# KiCad board TRX055.01.01.PB.00.00.kicad_pcb (continued)
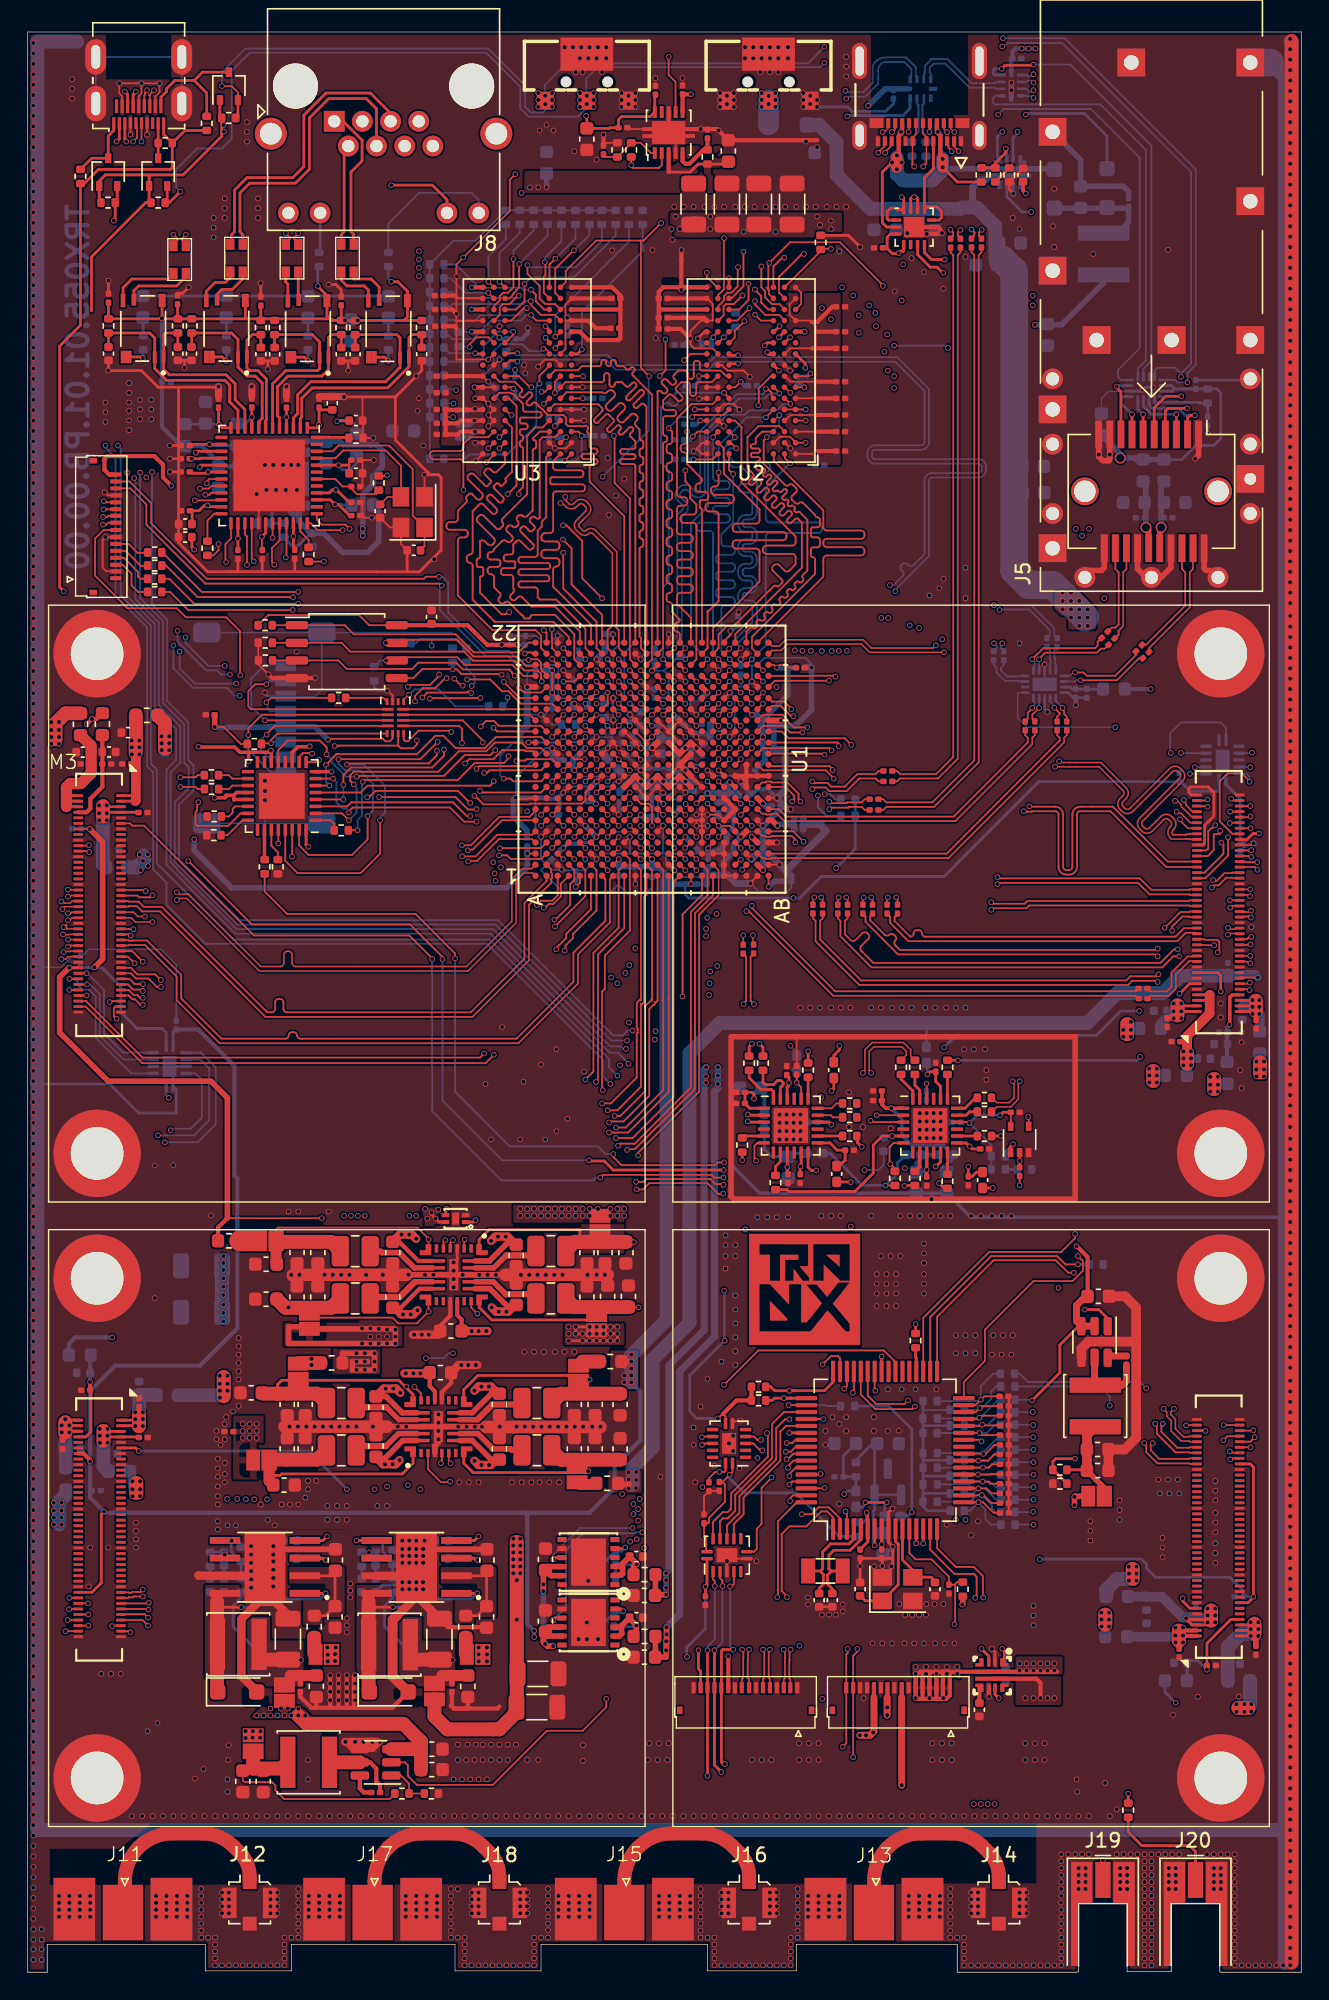
[diagram p0: board, top side]
## Routing (per net, layer and track width the routed paths; a pad name or vN(x,y) marks a point on that pad's centre or on a via; arc(x,y) is an arc through that point) (continued)
GND_ETH: length 17.7
  Bottom w0.2: C146.2 25.97,120.78 C134.2
VCCIO_13: length 181.6
  Top w0.127: U1.W19 v1(51.4,93) ; U1.AA13 v1(53,89) ; U1.AB20 53.8,94.2 v1(54,94) 54.2,94.2 54.7,94.2 54.9,94 C82.1 ; U1.U15 v1(49.8,89.8) ; U1.Y16 v1(52.2,90.6) ; U1.V12 v1(50.6,88.2) ; v1(88.68,71.67) 87.41,71.67 M1.14
  Top w0.2: v1(88.75,82.05) 88.34,82.05 87.91,81.62 M1.64
  Top w0.4: 43.36,35.15 42.64,35.15 FB9.2 ; U1.T18 v1(49,92.2)
  In2.Cu w0.127: v1(50.6,91.4) 50.2,91.8 49.4,91.8 v1(49,92.2) ; v1(50.6,91.4) 51.05,90.95 51.68,90.95 52.03,90.6 v1(52.2,90.6) ; v1(50.6,91.4) 50.2,91 49.36,91 48.99,90.63
  In2.Cu w0.4: v1(88.75,82.05) 89.3,82.6 89.3,88.45 86.9,90.85 81.15,90.85 74.4,97.6 61.55,97.6 v1(61.53,97.58)
  In4.Cu w0.127: 49.12,89.92 49.13,89.91 ; 52.1,90.7 v1(52.2,90.6) ; v1(49,92.2) 49.36,92.56 50.96,92.56 v1(51.4,93) 51.4,93.12 ; 49.12,89.75 49.17,89.8 v1(49.8,89.8)
  In4.Cu w0.18: 50.19,87.79 49.13,87.79 49.12,87.8
  In4.Cu w0.2: v1(50.6,88.2) 50.19,87.79
  In4.Cu w0.25: 54.15,94.25 54,94.1 v1(54,94)
  In4.Cu w0.4: v1(54,94) 54.2,94.2 54.2,95.1 56.67,97.58 v1(62.03,97.58) ; 49.12,87.8 49.12,90.14 ; 49.12,90.14 49.12,89.92 ; 49.12,90.14 49.12,90.43 48.47,91.08 48.47,91.67 v1(49,92.2) ; v1(88.75,82.05) 89.14,81.66 89.14,72.14 v1(88.68,71.67)
  Bottom w0.127: 52.99,89.01 v1(53,89)
  Bottom w0.2: FB44.2 64.78,68.29 64.89,68.4 ; U19.14 86.38,85.58 87.4,84.55 C222.1 87.7,81.42 88.32,82.05 v1(88.75,82.05)
  Bottom w0.3: C83.1 v1(51.4,93)
  Bottom w0.4: v1(52.2,90.6) 52.57,90.6 53,90.17 52.94,90.17 ; 52.97,88.1 52.97,88.97 v1(53,89) 53,89.47 52.94,89.53 52.94,90.17 ; 52.94,90.17 54.8,92.03 54.8,94 ; C87.1 48.52,91.72 v1(49,92.2) ; 52.4,86.6 53.13,87.33 C84.1 ; 54.8,94 v1(54,94) ; 54.8,94 C82.1
  Bottom w0.6: 86.65,71.8 87.35,71.8 87.45,71.9 88.45,71.9 v1(88.68,71.67)
  Bottom w1: 86.65,71.8 83.06,71.8 81.81,70.55 78.54,70.55 76.39,68.4 49.89,68.4 47.7,66.21 47.7,46.8 45.05,44.15 45.05,37.81 43.6,36.36 43.6,35.13 43.57,35.1
  vias: v1(43.3,36.03) v1(43.32,35.51) v1(43.31,34.86) v1(43.85,34.88) v1(43.86,36.05) v1(43.86,35.48) v1(48.99,90.59)
VCCIO_34: length 309.2
  Top w0.127: U1.H2 v1(42.6,80.2) ; U1.L3 v1(45,80.2) ; U1.N7 v1(46.6,83.4) ; U1.K6 v1(44.2,83.4) ; U1.P4 v1(47.4,81.8) ; U1.R1 v1(47.8,78.4)
  Top w0.2: M2.64 88.12,36.62 88.35,36.4 88.35,27 87.97,26.62 M2.14 ; v1(5.5,33.2) 5.3,33 5.3,28.05 4.62,27.38 M4.64 ; C290.1 v1(48.85,27.78) 48.96,27.89 U32.1
  Top w0.3: v1(4.5,36.8) 4.5,36.9 4.02,37.38 M4.14 ; J23.11 v1(50.5,22.75)
  Top w0.4: FB8.2 v1(43.5,44)
  In4.Cu w0.127: v1(44.2,83.4) 44.58,83.78 45.78,83.78 45.81,83.81 45.98,83.81 45.99,83.83 46.33,83.83 46.6,83.55 v1(46.6,83.4) 46.96,83.04 47.48,83.04 47.76,82.75 47.76,82.16 v1(47.4,81.8) 47.8,81.4 v1(47.8,78.4)
  In4.Cu w0.2: v1(54.98,66.75) 55.2,66.97 v1(55.2,77.4)
  In4.Cu w0.3: v1(36.5,24.6) v1(36.5,24.15) 36.5,23.05 36.85,22.7 71.04,22.7 71.5,23.16 71.5,27.86 72.95,29.31 v1(72.95,29.75)
  Bottom w0.127: 54.99,66.72 55.43,66.28 FB41.2
  Bottom w0.2: v1(48.85,27.78) 48.85,24.75 47.5,23.4 47.5,22.72 ; U19.1 85.88,85.17 85.8,85.1 83.8,85.1 83.12,85.78 C219.1 72.88,85.78 66.05,78.95 57.2,78.95 55.65,77.4 v1(55.2,77.4) 47.65,77.4 47.4,77.65 47.4,78.4 ; 72.96,29.76 80.29,29.76 80.65,29.4 80.65,29.1 81.3,28.45 86.65,28.45 87.64,27.46 C221.1 v1(88.35,27.05) ; U23.1 10.47,67.7 10.7,67.92
  Bottom w0.3: v1(4.5,36.8) 4.5,34.2 5.6,33.1 36,33.1 ; 36,33.1 36,25.1 v1(36.5,24.6) v1(36.5,24.15) ; 36,33.1 40.5,33.1 42.3,34.9 42.3,36.48 44.15,38.33 44.15,41.85 v1(43.5,42.5) ; 4.5,36.9 4.5,41.9 6.3,43.7 12.4,43.7 15.11,46.41 15.11,57.19 14.9,57.4 14.9,65.3 12.28,67.92 10.7,67.92
  Bottom w0.4: v1(44.2,83.4) 44.35,83.25 C81.1 ; 47,83.87 47,83.8 v1(46.6,83.4) ; C77.1 45.53,79.57 46.7,78.4 v1(47.8,78.4) C76.1 ; C77.1 v1(45,80.2) ; C77.1 44.93,79.64 C78.1 42.61,80.19 v1(42.6,80.2) ; v1(47.4,81.8) 47.82,81.38 47.82,81.36
  Bottom w1: v1(43.5,42.5) 43.5,44.45 46.05,47 46.05,78.6
  vias: v1(43,43) v1(43,42.5) v1(43.5,44.5) v1(43.5,43.5) v1(43.5,43) v1(47.53,22.72)
VCCIO_35: length 177.7
  Top w0.127: U1.F8 40.96,84.24 v1(40.96,84.19) ; U1.E1 39.8,78.5 v1(39.5,78.2) ; v1(43.89,56.4) 44.35,56.4 44.8,56.85 49,56.85 49.79,56.06 50.1,56.06 ; 14.39,54.33 v1(21.2,54.33) ; U1.G5 v1(41,81.8) ; M3.14 4.5,82.38 ; U1.A3 v1(36,80.6) ; v1(37.8,83.4) U1.C7 ; U1.D4 v1(38.6,81)
  Top w0.2: FB45.2 68.84,56.51 v1(69.56,56.51) ; v1(3,72.38) M3.64
  Top w0.3: FB10.2 13.71,53.65 14.39,54.33
  Top w0.4: 14.39,54.33 14.39,62.99 14.4,63 13.2,64.2 5.8,64.2 2.3,67.7 2.3,71.7 2.98,72.38 v1(3,72.38) ; v1(4.8,72.4) 5.4,73 5.4,81.44 v1(4.47,82.38)
  In2.Cu w0.127: v1(43.89,56.4) 43.89,54.24 43.36,53.71 22.02,53.71 21.4,54.33
  In2.Cu w0.2: v1(69.56,56.51) 69.54,56.49 67.2,56.49 66.92,56.21 64.68,56.21 64.12,55.65 51.7,55.65 51.25,56.1 v1(50.13,56.1)
  In2.Cu w0.4: v1(4.47,82.38) 4.47,84.87 5.2,85.6 9.6,85.6 12,83.2 v1(12,81.63)
  In4.Cu w0.127: v1(39.5,78.2) 39.3,78.4 37.9,78.4 37.3,79 37.3,80.2 ; v1(36,80.6) 36.4,80.2 37.3,80.2 ; 37.3,80.2 38.03,80.2 38.6,80.78 v1(38.6,81) 39.3,81 39.79,81.49 39.79,82.22 ; 39.79,82.22 39.79,82.75 39.58,82.96 39.26,82.96 38.82,83.4 v1(37.8,83.4) ; 39.79,82.22 40.3,82.22 40.31,82.24 40.35,82.24 40.56,82.45 40.56,82.49 40.62,82.55 40.62,82.75 40.96,83.08 v1(40.96,84.19)
  Bottom w0.1: C75.1 39.49,78.21 v1(39.5,78.2)
  Bottom w0.2: 2.95,72.38 4.08,72.38 4.08,72.38 4.42,72.38 4.42,72.38 5.35,72.38 6.7,71.03 6.7,69.17 7.88,68 9.67,68 9.97,67.7 U23.14 ; v1(4.47,82.38) 4.44,82.4 C224.1 ; 39.86,81.3 39.96,81.4 40.6,81.4 v1(41,81.8)
  Bottom w0.3: 39.86,81.3 38.9,81.3 v1(38.6,81)
  Bottom w0.4: C74.1 37.81,83.41 v1(37.8,83.4) ; v1(40.96,84.19) 40.77,84.38 C73.1 ; 38.39,80.81 38.58,81 v1(38.6,81) ; 38.39,80.81 38.21,80.63 C71.1 ; 38.39,80.81 38.39,80.84 ; v1(12,81.63) 12,80.83 14.69,78.13 34.53,78.13 36,79.6 C72.1 v1(36,80.6)
VDD_1V8D: length 233.4
  Top w0.3: FB28.2 4.96,90.3 v1(4.63,90.3) 4.31,89.98 4.3,89.98 ; J24.8 63,19.82
  Top w0.5: 63,19.8 v1(63,13.47)
  Top w1: 85.53,64.36 85.53,63.64
  In4.Cu w0.3: 4.66,90.33 2.98,88.65 2.98,85.78 1.97,84.77 1.97,72.25 2.1,72.12 2.1,67.28 8.7,60.67 8.7,48.35 1.95,41.6 1.95,38.49 2.48,37.96 2.7,37.96 2.91,37.75 2.91,28.81 2.04,27.94 2.04,20.94 3.88,19.1 7.58,19.1 13.22,13.45 76.8,13.45 83.7,20.35 87.72,20.35 89.13,21.75 89.13,23.83 89.19,23.9 89.19,25.39 89.13,25.46 89.13,41.37 82.47,48.03 82.47,60.67 85.3,63.5 ; 85.53,64.36 85.78,64.11 85.78,63.97
  In4.Cu w1: 85.53,64.36 85.53,63.65
  Bottom w0.2: 82.75,19.4 81.97,20.18 FB27.2
  Bottom w0.3: FB29.2 2.96,45.27 3.43,45.74 v1(6.09,45.74)
  Bottom w1: 85.53,64.36 85.53,63.64
  vias: v1(4.25,89.92) v1(82.75,19.43) v1(85.23,64.52) v1(85.23,63.95) v1(85.24,63.45) v1(85.79,64.53) v1(85.79,63.95) v1(85.79,63.45)
VDD_1V_RAIL_A: length 103.2
  Top w0.127: v1(43.4,89.8) U1.J15 v1(42.61,89.81) U1.H14 v1(41.79,89.81) U1.G15 ; U1.R15 v1(48.2,89.8) ; U1.L15 v1(45,89.8) ; U1.N15 46.6,90.6
  Top w0.4: 20.15,46.5 JP2.2 26.45,46.35 v1(26.5,46.3) v1(26.5,45.3) 18.8,45.3 18.8,46.5 20.15,46.5
  In4.Cu w0.127: 46.6,90.6 v1(46.55,90.6) ; v1(48.2,89.8) v1(45,89.8)
  In4.Cu w0.2: 26.5,45.5 26.5,47.5 26.25,47.75 26.25,48.25 ; 40.7,90.1 40.6,90.2 33.78,90.2 ; 33.78,90.2 33.52,90.2 32.61,91.11 27.81,91.11 26.16,89.46 26.16,77.12 ; 33.78,90.2 33.65,90.2 ; 24.5,45.5 24.5,47 26,47 26,45.5 25,45.5 25,46.5 25.5,46.5 25.5,46
  In4.Cu w0.3: v1(41.79,89.81) 40.99,89.81 40.7,90.1
  In4.Cu w0.4: 26.25,57 26.25,48.25
  In4.Cu w0.6: 46.55,90.54 46.6,90.54 46.6,89.89 45.67,89.89 ; 45.67,89.89 45.41,89.62 41.98,89.62 v1(41.79,89.81) ; 45.67,89.89 45.09,89.89
  In4.Cu w1.3: 26.25,77.12 26.25,57
  Bottom w0.1: v1(42.61,89.81) 42.84,89.58 42.84,89.27
  Bottom w0.127: v1(41.79,89.81) 41.79,89.65 C51.1 ; 45.53,89.8 C54.1
  Bottom w0.3: v1(45,89.8) 45.53,89.8
  Bottom w0.4: 47.41,89.84 47.31,89.84 v1(46.55,90.6)
  vias: v1(24.1,46.4) v1(24.1,45.3) v1(24.7,46.4) v1(24.7,45.8) v1(24.7,45.3) v1(25.3,46.35) v1(25.3,45.8) v1(25.3,45.3) v1(25.9,46.3) v1(25.9,45.8) v1(25.9,45.3) v1(26.5,45.8)
VDD_1V_RAIL_B: length 98.3
  Top w0.127: v1(43.4,86.6) U1.J11 U1.H12 ; U1.J13 v1(43.4,88.2)
  Top w0.4: U1.R9 v1(47.41,85.79) U1.P10 v1(46.6,85.8) U1.N9 v1(45.8,85.8) U1.M10 v1(44.99,85.79) U1.L9 v1(44.2,85.8) U1.K10 U1.J9
  In2.Cu w0.4: v1(42.6,87.4) 43.4,87.4 ; 43.4,87.4 v1(43.4,88.2) ; 43.4,87.4 v1(43.4,86.6)
  In4.Cu w0.127: v1(43.4,86.6) v1(44.2,85.8)
  In4.Cu w0.2: 43.14,86.6 42.6,86.6 42.2,86.2 36.12,86.2 34.92,85 33.56,85 32.96,85.6 31.48,85.6 30.35,84.47 30.35,57.14 33,54.5 v1(42.5,54.5) v1(43,54.5) 43,57.65 32.25,57.65 ; v1(43,55) v1(42,55) v1(35.5,55)
  In4.Cu w1: 43.94,85.8 v1(45.8,85.8) 47.4,85.8
  Bottom w0.5: 42.64,85.12 42.7,85.12 43.35,85.77 47.94,85.77
  vias: v1(35.5,54.5) v1(36,55) v1(36,54.5) v1(36.5,55) v1(36.5,54.5) v1(37,55) v1(37,54.5) v1(37.5,55) v1(37.5,54.5) v1(38,55) v1(38,54.5) v1(38.5,55) v1(38.5,54.5) v1(39,55) v1(39,54.5) v1(39.5,55) v1(39.5,54.5) v1(40,55) v1(40,54.5) v1(40.5,55) v1(40.5,54.5) v1(41.1,55) v1(42,54.5) v1(42.5,55)
VDD_3V3D: length 206.4
  Top w0.3: J24.12 61,19.8
  Top w0.5: v1(59.97,17.07) 60.72,17.07 61,17.35 61,19.8
  Top w1: 7.82,35.26 7.82,34.53 ; 81.12,64.94 81.12,64.21 ; 79.65,29.06 79.65,28.34
  In4.Cu w0.2: 79.65,42.08 80.65,42.08
  In4.Cu w0.3: 81.12,64.94 81.38,64.69 81.38,64.55 80.85,64.03
  In4.Cu w1: 81.12,64.94 81.12,64.22 ; 80.85,64.03 80.6,64.03 80.6,63.83 79.65,62.88 79.65,21.45 75.7,17.5 14.38,17.5 9.58,22.3 9.58,34.5 ; 7.82,34.85 7.87,34.9 9.58,34.9 9.58,40.57 12.4,43.4 12.4,64.47 10.6,66.28 10.6,75.42 9.84,76.19 9.84,77.91 8.37,79.38 8.37,80.37 8.4,80.4
  Bottom w0.127: v1(80.62,42.08) 80.18,42.53 72.12,42.53 71.53,43.12 R135.1
  Bottom w0.3: FB33.2 7.39,34.96
  Bottom w1: 81.12,64.94 81.12,64.21 ; FB31.2 77.74,27.55 78.53,28.34 79.65,28.34 79.65,29.06 ; 7.82,35.26 7.82,34.53 ; FB32.2 7.89,79.6 7.89,79.63 8.36,80.1 8.36,80.47
  vias: v1(7.54,35.37) v1(7.54,34.8) v1(7.55,34.3) v1(8.07,80.53) v1(8.14,79.41) v1(8.1,35.38) v1(8.1,34.8) v1(8.1,34.3) v1(8.3,80.08) v1(8.66,80.54) v1(8.67,79.7) v1(15.7,17.38) v1(15.7,16.88) v1(16.22,17.38) v1(16.2,16.9) v1(16.78,17.38) v1(16.75,16.9) v1(60.42,17.07) v1(60.95,17.28) v1(79.37,29.22) v1(79.38,28.72) v1(79.38,28.22) v1(79.93,29.22) v1(79.93,28.72) v1(79.93,28.22) v1(80.83,65.11) v1(80.84,64.61) v1(80.84,64.11) v1(81.39,65.11) v1(81.39,64.61) v1(81.39,64.11)
VDD_5V5A: length 290
  Top w0.2: R102.1 11.32,132.7 R101.1 ; R101.1 9.8,132.42 J7.19 ; R101.1 10.42,130.02 10.3,129.9 5.1,129.9 4.08,128.88 R105.1 3.8,118.67 2.3,117.17 2.3,99.8 v1(2.6,99.5)
  Top w0.3: J24.10 61.97,19.83 61.97,19.82
  Top w0.5: 61.95,19.8 v1(61.95,18.53)
  Top w0.7: 9.91,88.42 9.86,88.46
  Top w1: C311.1 28.35,16.62 27.08,17.9 20.1,17.9 v1(19.5,18.5) ; C311.1 C310.1 ; C311.1 U21.3 ; FB20.2 9.89,90.04 9.89,88.18 9.89,88.9 9.91,88.92 ; 77.68,25.76 77.68,25.04 ; 79.25,68.31 79.25,67.59 ; 14.13,42.89 14.13,41.5
  In4.Cu w0.127: v1(2.6,99.5) 2.43,99.33 2.01,99.33 1.69,99.01 1.69,92.67 2.82,91.54 8.55,91.54 9.89,90.2 9.89,88.95 9.9,88.94
  In4.Cu w1: 79.28,67.28 79.28,66.35 77.7,64.78 77.7,22.18 74.3,18.78 16,18.78 11.72,23.05 11.72,38.62 14.1,41 14.1,65.4 12.17,67.33 12.17,77.83 9.9,80.1 9.9,88.94 ; 79.35,68.3 79.35,67.3
  Bottom w0.127: v1(78,40.82) 78,41.47 77.28,42.2 R133.1
  Bottom w0.3: 9.86,88.99 10.14,88.99 10.14,88.04 9.9,88.04 ; 9.86,88.99 9.9,88.95 ; 9.86,88.99 9.67,88.99 9.67,88.04 9.9,88.04 ; 9.9,88.04 9.82,88.12 ; 9.67,88.52 10.14,88.52
  Bottom w1: 79.25,68.31 79.25,67.59 ; 14.13,42.89 14.13,42.16 ; FB21.2 13.81,41.57 14.13,41.89 14.13,42.81 ; 77.68,25.76 77.68,25.04 ; 9.9,88.04 9.9,88.95 ; C396.1 C397.1
  vias: v1(9.64,89.05) v1(9.65,88.55) v1(9.65,88.05) v1(10.2,89.05) v1(10.2,88.55) v1(10.2,88.05) v1(13.84,42.97) v1(13.84,42.4) v1(13.85,41.9) v1(13.85,41.4) v1(14.1,51.6) v1(14.1,51.1) v1(14.1,50.6) v1(14.1,50) v1(14.1,49.4) v1(14.1,48.8) v1(14.1,48.1) v1(14.1,47.5) v1(14.1,46.9) v1(14.4,42.98) v1(14.4,42.4) v1(14.4,41.9) v1(16.5,18.5) v1(17,18.5) v1(17.5,19) v1(17.5,18.5) v1(18,18.5) v1(18.25,19) v1(18.5,18.5) v1(18.75,19) v1(19,18.5) v1(19.5,19) v1(20,18.5) v1(61.95,19.07) v1(77.39,25.91) v1(77.4,25.41) v1(77.4,24.91) v1(77.95,25.91) v1(77.95,25.41) v1(77.95,24.91) v1(78.97,67.9) v1(78.97,67.4) v1(79.53,68.48) v1(79.53,67.9) v1(79.53,67.4)
VDD_DDR: length 261.4
  Top w0.127: U3.K2 38.76,116.96 38.76,119 ; v1(51.4,114.6) 51,114.2 U2.G7 ; v1(38,113.8) 38,114.6 U3.H2 ; U2.K2 54.95,117 56.55,117 56.6,117.05 ; U3.F1 v1(40,113.4) ; 56.6,117.05 56.8,117.25 56.8,118.6 56.4,119 U2.N1 54.91,119.44 54.91,120.16 U2.R1 ; 56.6,117.05 56.78,116.87 56.78,115.35 56.79,115.34 56.79,115.04 56.78,115.04 56.78,114.6 ; v1(33.06,108.8) 33.6,109.34 U3.A8 ; U1.M20 45,93.8 ; v1(32.25,112.65) 32.3,112.6 ; 48.98,120.6 49.38,120.2 49.38,119 48.53,119 47.78,118.25 47.78,117.26 48.04,117 49.38,117 49.78,116.6 ; U1.K16 43.4,91.4 v1(43.4,91.41) ; 56.78,112.2 54.98,112.2 54.58,111.8 ; 56.78,112.2 v1(56.78,109.4) 55.38,109.4 ; 56.78,112.2 56.78,114.6 ; v1(47.94,110.66) 48.29,111 48.98,111 ; v1(40.2,92.23) 40.24,92.27 40.27,92.27 U1.F18 ; 32.2,111.81 v1(32.2,111.8) 32.21,111.8 ; v1(48,109) 49.35,109 U2.A8 ; 38.76,119 38.76,120.16 U3.R1 ; 38.76,119 U3.N1 ; 50.65,96.36 50.49,96.2 ; 50.65,96.36 50.2,95.91 U1.V22 ; 50.65,96.36 v1(50.65,96.64) ; U1.E21 v1(40.2,94.6) ; v1(48.08,112.6) 48.98,112.6 ; U1.H22 v1(42.2,96.4) ; 39.16,111 U3.C1 39.7,111 39.94,110.76 v1(39.94,110.7) ; 54.58,110.2 v1(54.98,109.8) ; 56.78,114.6 54.98,114.6 54.58,115 ; U3.K8 v1(33.2,116.2) 30.9,116.2 30.9,120.6 ; 30.9,120.6 30.9,123.05 34.75,126.9 34.75,129.15 v1(35.15,129.55) ; 30.9,120.6 U3.R9 ; v1(48.48,111.8) 48.98,111.8 ; U3.B2 v1(38.8,110.6) ; 55.38,113.4 56.78,113.4 ; U1.J19 v1(42.6,93.8) ; 45.7,131.07 45.7,130.2 45.5,130 43.6,130 43.5,130.1 R71.1 ; 55.38,111 56.78,111 ; 48.98,115 48.48,115 ; U3.G7 34.9,114.2 v1(35,114.1) ; U1.N17 v1(46.6,91.4) ; v1(38.7,108.9) U3.A1 ; U3.H9 33.2,114.6 ; U1.R21 v1(47.4,94.6) ; v1(38,111.4) U3.D2 ; U3.N9 30.9,119
  Top w0.3: v1(47.74,117.71) 47.05,118.4 C346.1 ; C340.1 48.75,119.2 U2.N9 ; C339.1 30.8,120.8 30.9,120.7 ; C334.1 56.8,118.2 ; C332.1 58,120 56.9,118.9 56.5,118.9 ; C338.1 56.98,109.6 v1(56.78,109.4) ; C345.1 30.75,118.6 30.9,118.45 ; 56.55,117 56.55,117 C331.1 ; 30.04,115 U3.H9 ; C341.1 U2.R9 ; C342.1 40.95,118.45 40.4,119 U3.N1 ; U3.C9 31.2,111 31,110.8 C366.1 C364.1 30.14,112.58 32.78,112.58 U3.E9 ; C336.1 56.78,112.2 ; C337.1 56.78,111 ; C333.1 56.78,113.4 ; U3.D9 31.2,111.8 31,111.6 C365.1 ; C343.1 U3.R1 ; C344.1 30.61,119.8 v1(30.91,119.49) ; C335.1 56.78,114.6
  Top w0.4: 24.5,44 23.4,44 23.4,43.4 v1(25,43.4) v1(25,44.6) 22.7,44.6 22.69,44.59 FB7.2
  Top w1: C378.1 48.09,126.02
  In3.Cu w0.127: v1(47.4,94.6) 49.44,96.64 v1(50.65,96.64)
  In4.Cu w0.127: 40,94.4 39.5,93.9 39.5,92.85 40.14,92.21 40.18,92.21 v1(40.2,92.23) ; 40,94.4 v1(40.2,94.6) ; 40,94.4 40.21,94.61 40.21,95.9 ; v1(50.65,96.64) 50.61,96.6 ; 43.5,130.25 43.45,130.2 35.8,130.2 v1(35.15,129.55)
  In4.Cu w0.6: 16.25,93.6 16.25,90.16 16.55,89.86 16.55,89.21 16.55,87.88
  In4.Cu w0.7: 16.25,93.6 16.85,94.2 22.58,94.2 25.25,96.88 34.95,96.88 35.47,97.4 38.72,97.4 40.2,95.92 v1(40.2,94.6) ; v1(25,44) 21.8,44 20.38,45.42 20.38,75.75 17.33,78.8 17.33,82.05 17.78,82.5 17.78,86.65 16.55,87.88
  Bottom w0.127: 44.22,90.72 43.53,91.41 v1(43.4,91.41) ; v1(46.6,91.4) 46.24,91.04 44.42,91.04 R53.2 ; 45.86,93.78 v1(45,93.78) ; 45.86,93.78 46.19,93.45 46.19,91.81 ; 45.86,93.78 46.69,94.6 v1(47.4,94.6) ; v1(32.25,112.65) 32.26,112.64 ; v1(39.94,110.7) 39.94,109.34 39.5,108.9 v1(38.7,108.9)
  Bottom w0.18: 45.63,91.8 45.61,91.82 45.62,91.81 46.19,91.81 v1(46.6,91.4)
  Bottom w0.2: C69.1 45.61,91.82
  Bottom w0.3: v1(40.2,94.6) 40.19,94.59 C65.1 ; v1(51.4,114.6) 51.7,114.3 C350.1 ; v1(38.7,108.9) 38.68,108.92 C67.1 ; v1(48,109) 48,109 C362.1 ; C351.1 33.68,114.12 v1(33.2,114.6) ; C66.1 v1(39.94,110.7) ; 47.32,110.4 47.69,110.4 v1(47.94,110.66) ; v1(32.2,111.8) 31.9,111.5 C348.1 ; v1(38,111.4) 38.18,111.58 C358.1 ; v1(48.48,111.8) 48.2,111.52 C354.1 ; C367.1 38.79,110.59 v1(38.8,110.6) ; C352.1 32.15,112.55 v1(32.25,112.65) ; C359.1 38.89,118.58 v1(38.89,119.21) ; v1(48.38,115) 48.38,114.61 C356.1 ; 56.78,108.6 56.78,109.39 v1(56.78,109.4) ; v1(40.2,92.23) 39.82,92.61 C68.1 ; v1(32.25,111) 31.8,110.55 C360.1 ; v1(35,114.1) 35.16,113.94 C361.1 ; C349.1 v1(40,113.4) ; v1(38,113.8) 38.22,114.02 C357.1 ; v1(47.74,117.71) 47.29,117.25 C347.1
  Bottom w0.4: v1(45,93.78) 45.18,93.95 45.18,94.47 ; 40.19,94.59 v1(40.2,94.6) ; C64.1 42.18,96.42 v1(42.2,96.4) ; C62.1 47.15,94.85 v1(47.4,94.6) ; v1(50.65,96.64) 51.09,97.08 C61.1 51.11,96.99
  vias: v1(23.7,44.6) v1(23.7,44) v1(23.7,43.4) v1(24.3,44.6) v1(24.3,44) v1(24.3,43.4) v1(30.93,122.18) v1(31.39,123.55) v1(43.5,130.2) v1(46.7,126.5) v1(47,125.6) v1(49.2,126.5) v1(49.2,125.6) v1(51.6,125.4) v1(53.9,125.4) v1(56.9,126.5) v1(57.1,125.9) v1(57.9,126.2) v1(57.9,125.6)
VDD_DVDDL: length 14.7
  Bottom w0.2: C289.1 20.38,103.68 19.5,102.8 19,102.8 18.5,103.3 R107.1
  Bottom w0.3: U31.3 18.9,105.28
  Bottom w0.4: 19.55,105 U31.2 ; 19.55,105 19.55,104.55 20.42,103.68 C289.1 21.32,103.68 22.7,102.3 24.5,102.3 25.3,103.1 25.3,105.3 FB2.2 ; 19.55,105 19.18,105 18.9,105.28
VDD_MAIN_PWR: length 216.4
  Top w0.3: 64.53,21.65 64.33,21.65 64,21.32 J24.6 64,19.88 64.17,19.7 64.5,19.7 ; 64.53,21.65 64.95,21.65 ; 64.53,21.65 64.5,21.62 J24.5 64.5,19.7 ; 65.95,21.65 65.42,21.65 ; 65.95,21.65 65.97,21.63 J24.2 65.97,19.71 65.97,19.7 ; 65.95,21.65 66.42,21.65 ; 65.42,21.65 64.95,21.65 ; 65.42,21.65 65.5,21.57 J24.3 65.5,19.7 ; 64.5,19.7 64.97,19.7 ; 65.97,19.7 66.22,19.7 66.47,19.94 J24.1 66.47,21.6 66.42,21.65 ; 65.97,19.7 65.5,19.7 ; 65.5,19.7 64.97,19.7 ; 64.97,19.7 65,19.72 J24.4 65,21.6 64.95,21.65 ; 66.42,21.65 U29.5 74.2,21.65
  In4.Cu w0.127: v1(72.45,40.38) 73.93,40.38 74.1,40.55
  In4.Cu w1.2: 32.8,21.2 32.8,23.2
  In4.Cu w2: 75.2,98.65 75.9,97.95 75.9,95.3 77.3,93.9 77.3,91.2 76.86,90.76 76.85,90.76 75.9,89.81 75.9,71.38 74.1,69.58 74.1,30.44 74.25,30.29 74.25,22.5 v1(74,22.25) 72.55,22.25 71.5,21.2 25.7,21.2 24,22.9 JP10.1
  Bottom w0.127: R129.1 72.43,40.35 v1(72.45,40.38)
  Bottom w0.4: 72.15,129.44 69.38,129.44 69.1,129.15
  Bottom w0.5: 69.1,129.15 68.65,129.15 68.1,128.6 68.1,127.15
  Bottom w1: 67.45,127.15 68.4,127.15 69.75,125.8 69.75,123.55 ; 67.33,127.15 67.22,127.05 60.75,127.05 58.3,129.5 58.3,131.85 57.05,133.1 D2.1
  Bottom w2: 70.25,123.4 71.1,122.55 71.1,101 72.15,99.95 73.9,99.95 76.2,97.65 76.2,97.6
  vias: v1(21.6,23.4) v1(21.62,22.88) v1(21.62,22.4) v1(22.2,23.4) v1(22.15,22.93) v1(22.15,22.43) v1(32.5,23.4) v1(32.5,22.9) v1(32.5,22.4) v1(33.1,23.4) v1(33.1,22.9) v1(33.1,22.4) v1(64,22) v1(64,21.5) v1(64,19.75) v1(64.75,22) v1(64.75,21.5) v1(65,19.75) v1(65.5,22) v1(65.5,21.5) v1(66,19.75) v1(66.25,22) v1(66.25,21.5) v1(67,22) v1(67,21.5) v1(71.5,22.25) v1(71.5,21.75) v1(72,22.25) v1(72,21.75) v1(72.5,22.25) v1(72.5,21.75) v1(73,22.25) v1(73,21.75) v1(73.5,22.25) v1(73.5,21.75) v1(74,21.75) v1(74.3,49.3) v1(74.6,99.4) v1(74.6,98.8) v1(74.6,98.2) v1(75.2,99.4) v1(75.2,98.8) v1(75.2,98.2) v1(75.2,97.6) v1(75.8,98.8) v1(75.8,98.2) v1(75.8,97.6) v1(75.8,97) v1(76.4,98.2) v1(76.4,97.6) v1(76.4,97)
VDD_MCU: length 69.2
  Top w0.127: 50.07,35.32 v1(50.6,35.85) 50.8,36.05 U33.1 ; 50.07,35.32 50.25,35.14 50.25,33.88 49.1,32.73 49.1,32.4 49.05,32.35 C291.1 48.75,31.45 48.9,31.3 48.9,30.36 U32.14 ; 50.07,35.32 C292.1
  Top w0.4: v1(67.37,26.5) 67.4,26.53 R110.1 ; v1(75.45,33.65) v1(75.45,34.25) 75.5,34.3 JP13.2
  In3.Cu w0.4: 63.33,30 56.45,30 v1(50.6,35.85) ; 63.33,30 67.5,30 ; 63.33,30 63.33,32.75 v1(63.72,33.15) ; 67.5,30 72,30 75.45,33.45 v1(75.45,34.25) ; 67.5,30 67.5,26.63 v1(67.37,26.5)
  Bottom w0.2: FB16.1 63.44,32.86 v1(63.72,33.15) 63.72,39.12 62.05,40.8 R109.1 ; v1(50.6,35.85) 50.6,35.59 51.65,34.54 55.35,34.54 58.5,31.39 R143.1
VDD_PORT: length 56.3
  Top w0.2: T2.5 15.69,119.15 15.7,119.13 ; T1.5 9.69,119.15 9.7,119.13 ; 22.6,119.94 R64.1 ; R58.1 10.8,119.15 10.8,120.02 ; 15.7,119.13 9.7,119.13 ; 15.7,119.13 21.88,119.13 22,119.01 ; 9.7,119.13 R55.1 5.82,120.14 ; 27.11,119.01 27.36,119.27 T4.5 27.36,121.12 26.68,121.8 v1(26.2,121.8) ; 27.11,119.01 R66.1 22,119.01 ; 27.11,119.01 R67.1 ; 22,119.01 21.91,119.01 21.9,119 21.56,119.34 T3.5 21.56,120.81 20.92,121.46 ; 16.8,119.92 R61.1
  Bottom w0.127: R160.1 26,122 v1(26.2,121.8)
  Bottom w0.2: v1(26.2,121.8) 26.51,121.8 ; v1(20.91,121.49) 20.91,122.8 R161.1 ; v1(9.67,119.16) 9.67,115.96
  Bottom w0.3: v1(9.67,119.16) 9.67,111.36 11.07,109.96 FB3.2 12.57,109.96 14.03,108.5 15.2,108.5
  vias: v1(22.87,119.02) v1(23.79,119.02)
VDD_SYSTEM: length 240.6
  Top w0.3: U29.6 72.7,21.15 73,20.85 v1(73,19.75)
  Top w1: FB24.2 2.73,90.71 2,89.98 2,88.84 ; 87.26,19.05 87.99,19.05 ; 88.82,65.56 88.82,64.84
  In2.Cu w1: v1(68.2,12.12) v1(69.7,12.12) 70.1,12.51 70.1,18.12 71.74,19.75 73.7,19.75
  In4.Cu w0.3: 1.98,32 1.99,32 ; 89.07,65.17 89.07,65.31 88.82,65.56
  In4.Cu w0.6: 1.98,33.93 1.98,32
  In4.Cu w1: 88.82,65.56 88.82,62.23 90.03,61.03 90.03,21 88.07,19.05 84.2,19.05 77.35,12.2 12.67,12.2 6.88,18 3.8,18 1.2,20.6 1.2,87.98 1.97,88.75 1.97,89.92 1.96,89.93
  Bottom w0.3: FB25.2 2.74,34.4
  Bottom w1: FB23.2 88.1,20.99 88.1,19.16 87.99,19.05 87.26,19.05 ; 2.26,32.26 2.26,33.92 2.74,34.4 ; 88.82,65.56 88.82,64.84
  vias: v1(1.69,90.07) v1(1.69,89.5) v1(1.7,89) v1(1.7,88.5) v1(1.87,33.83) v1(1.87,33.26) v1(1.88,32.76) v1(1.88,32.26) v1(2.25,90.08) v1(2.25,89.5) v1(2.25,89) v1(2.25,88.5) v1(2.43,33.84) v1(2.43,33.26) v1(2.43,32.76) v1(2.43,32.26) v1(68.7,12.12) v1(69.2,12.12) v1(71.9,19.75) v1(72.5,19.75) v1(73.5,19.75) v1(74,19.75) v1(87.12,19.32) v1(87.13,18.76) v1(87.7,19.32) v1(87.7,18.76) v1(88.2,19.32) v1(88.2,18.77) v1(88.56,65.61) v1(88.56,65.04) v1(88.57,64.54) v1(89.12,65.62) v1(89.12,65.04) v1(89.12,64.54)
VDD_VTT: length 51.6
  Top w0.2: 46.2,129.7 47.75,129.7 48.33,130.28 R73.2 50.33,130.28 C149.1
  Top w0.3: 46.2,131.07 46.2,129.7
  In3.Cu w0.4: v1(28.2,122.2) 28.2,124.4 28.8,125 32.4,125 36,128.6 v1(37.4,128.6)
  Bottom w0.127: 34.47,126.95 34.47,126.94 R35.2 ; 34.47,126.95 32.27,124.75 30.68,124.75 R11.2 ; 34.47,126.95 34.86,126.95 ; 34.47,126.95 34.48,126.96 36.37,126.96 ; 28.99,123.05 R11.2 ; R11.2 R43.2 ; 28.88,115.95 R10.2
  Bottom w0.4: C150.1 v1(37.4,128.6)
  vias: v1(28.2,124) v1(28.2,123.4) v1(28.2,122.8) v1(35.6,128.2) v1(36.2,128.6) v1(36.8,128.6)
/A1_HS1_CLK_N: length 48.6
  Top w0.106: M1.22 87.37,73.23 v1(88.12,73.23)
  Top w0.127: v1(55.85,89.33) 55.84,89.32 54.96,89.32 54.48,89.81 53.01,89.81 U1.AA14
  In2.Cu w0.106: v1(88.12,73.23) 88.24,73.11 88.74,73.11 89.38,73.76 89.38,77.45 87.82,79.02 86.73,79.02 86.44,79.31 81.4,79.31 80.26,80.44 69.97,80.44 60.47,89.94 57,89.94 56.4,89.33 56.39,89.33 56.36,89.31 56.04,89.31 56.01,89.33 55.85,89.33 v1(55.85,89.33)
/A1_HS1_CLK_P: length 50
  Top w0.106: v1(88.13,72.7) 88.03,72.8 87.85,72.8 87.82,72.83 M1.20
  Top w0.127: 54.15,90.6 53,90.6 U1.AA15 ; 54.15,90.6 54.18,90.6 ; 54.15,90.6 54.4,90.6 54.76,90.24 54.76,90.15 55.22,89.69 55.69,89.69 55.7,89.7 56,89.7 56.01,89.69 v1(56.2,89.69)
  In2.Cu w0.106: v1(88.13,72.7) 88.24,72.8 88.87,72.8 89.69,73.63 89.69,77.58 87.94,79.33 86.86,79.33 86.57,79.61 81.53,79.61 80.39,80.75 70.1,80.75 60.6,90.25 56.87,90.25 56.27,89.64 56.24,89.64 v1(56.2,89.69)
/A1_HS_4_N: length 48.6
  Top w0.106: v1(88.18,75.99) 88.08,76.08 87.95,76.08 87.93,76.06 87.81,76.06
  Top w0.124: 87.81,76.06 87.64,76.06 87.6,76.03 M1.36
  Top w0.127: v1(58.1,86) 58.1,86.03 57.53,86.6 53,86.6 U1.AA11
  In2.Cu w0.106: v1(58.1,86) 58.2,86 59.05,85.16 59.05,83.57 64.55,78.07 64.55,77.44 66.99,75 71.89,75 73.89,73 74.8,73 arc(75.09,73.11) 75.21,73.4 arc(75.24,73.47) 75.31,73.5 75.8,73.5 arc(75.87,73.47) 75.9,73.4 75.9,71.8 arc(76.06,71.4) 76.46,71.24 76.66,71.24 arc(77.05,71.4) 77.21,71.8 77.21,72.75 arc(77.28,72.92) 77.46,73 78.61,73 81.36,75.75 87.16,75.75 87.5,76.08 88.08,76.08 v1(88.18,75.99)
/A1_HS_4_P: length 47.6
  Top w0.106: 88.08,76.39 87.82,76.39 87.81,76.39
  Top w0.124: 87.81,76.39 87.64,76.39 87.6,76.42 M1.38
  Top w0.127: U1.AB11 53.5,86.9 57.8,86.9 58.12,86.57
  In2.Cu w0.106: v1(88.18,76.49) 88.08,76.39 87.37,76.39 87.04,76.05 81.24,76.05 78.49,73.3 77.46,73.3 arc(77.06,73.14) 76.9,72.75 76.9,71.8 arc(76.83,71.62) 76.66,71.55 76.46,71.55 arc(76.28,71.62) 76.21,71.8 76.21,73.4 arc(76.09,73.69) 75.8,73.81 75.31,73.81 arc(75.02,73.69) 74.9,73.4 arc(74.87,73.33) 74.8,73.3 74.01,73.3 72.01,75.3 67.11,75.3 64.85,77.56 64.85,78.2 59.35,83.7 59.35,85.29 v1(58.02,86.62)
/A1_HS_5_N: length 48.5
  Top w0.124: M1.35 83.75,76.03 83.72,76.06 83.22,76.06 82.5,75.34 v1(82.5,75.05)
  Top w0.127: U1.V11 v1(50.6,87.4)
  In2.Cu w0.106: v1(50.6,87.4) 51.69,86.31 56.62,86.31 58.16,84.77 58.16,83.17 63.5,77.84 63.5,76.54 65.73,74.3 70.9,74.3 71.13,74.07 arc(71.17,73.97) 71.13,73.86 arc(70.99,73.54) 71.13,73.22 71.41,72.94 arc(71.73,72.8) 72.05,72.94 72.5,73.38 arc(72.62,73.43) 72.74,73.38 72.99,73.14 arc(73.04,73.02) 72.99,72.89 72.54,72.45 arc(72.41,72.13) 72.54,71.8 72.82,71.52 arc(73.14,71.39) 73.47,71.52 arc(73.57,71.57) 73.68,71.52 74.5,70.7 78.72,70.7 80.05,72.04 80.05,72.97 81.39,74.3 81.75,74.3 v1(82.5,75.05)
/A1_HS_5_P: length 47.8
  Top w0.124: M1.37 83.75,76.42 83.72,76.39 83.09,76.39 v1(81.95,75.25)
  Top w0.127: U1.W11 v1(51.4,87.4)
  In2.Cu w0.106: v1(81.95,75.25) 81.95,74.94 81.62,74.61 81.26,74.61 79.75,73.1 79.75,72.16 78.59,71.01 74.63,71.01 73.9,71.74 arc(73.57,71.88) 73.25,71.74 arc(73.14,71.7) 73.04,71.74 72.76,72.02 arc(72.72,72.13) 72.76,72.23 73.21,72.68 arc(73.35,73.02) 73.21,73.36 72.96,73.6 arc(72.62,73.74) 72.28,73.6 71.84,73.16 arc(71.73,73.11) 71.63,73.16 71.35,73.44 arc(71.3,73.54) 71.35,73.64 arc(71.48,73.97) 71.35,74.29 71.03,74.61 65.86,74.61 63.8,76.66 63.8,77.96 58.47,83.3 58.47,84.9 56.73,86.64 51.83,86.64 51.4,87.07 v1(51.4,87.4)